# Altium PCB x_pmu_board.pcbdoc (part 2 of 3)
Units mm, origin at the board's own origin, x right, y up, seen from the top; angles counter-clockwise.
Board outline 103 x 86.5 mm, 4 copper layers (Top Layer, GND, Power, Bottom Layer), stack 1.57 mm thick; 226 components, 176 nets, 875 pads, 332 vias.
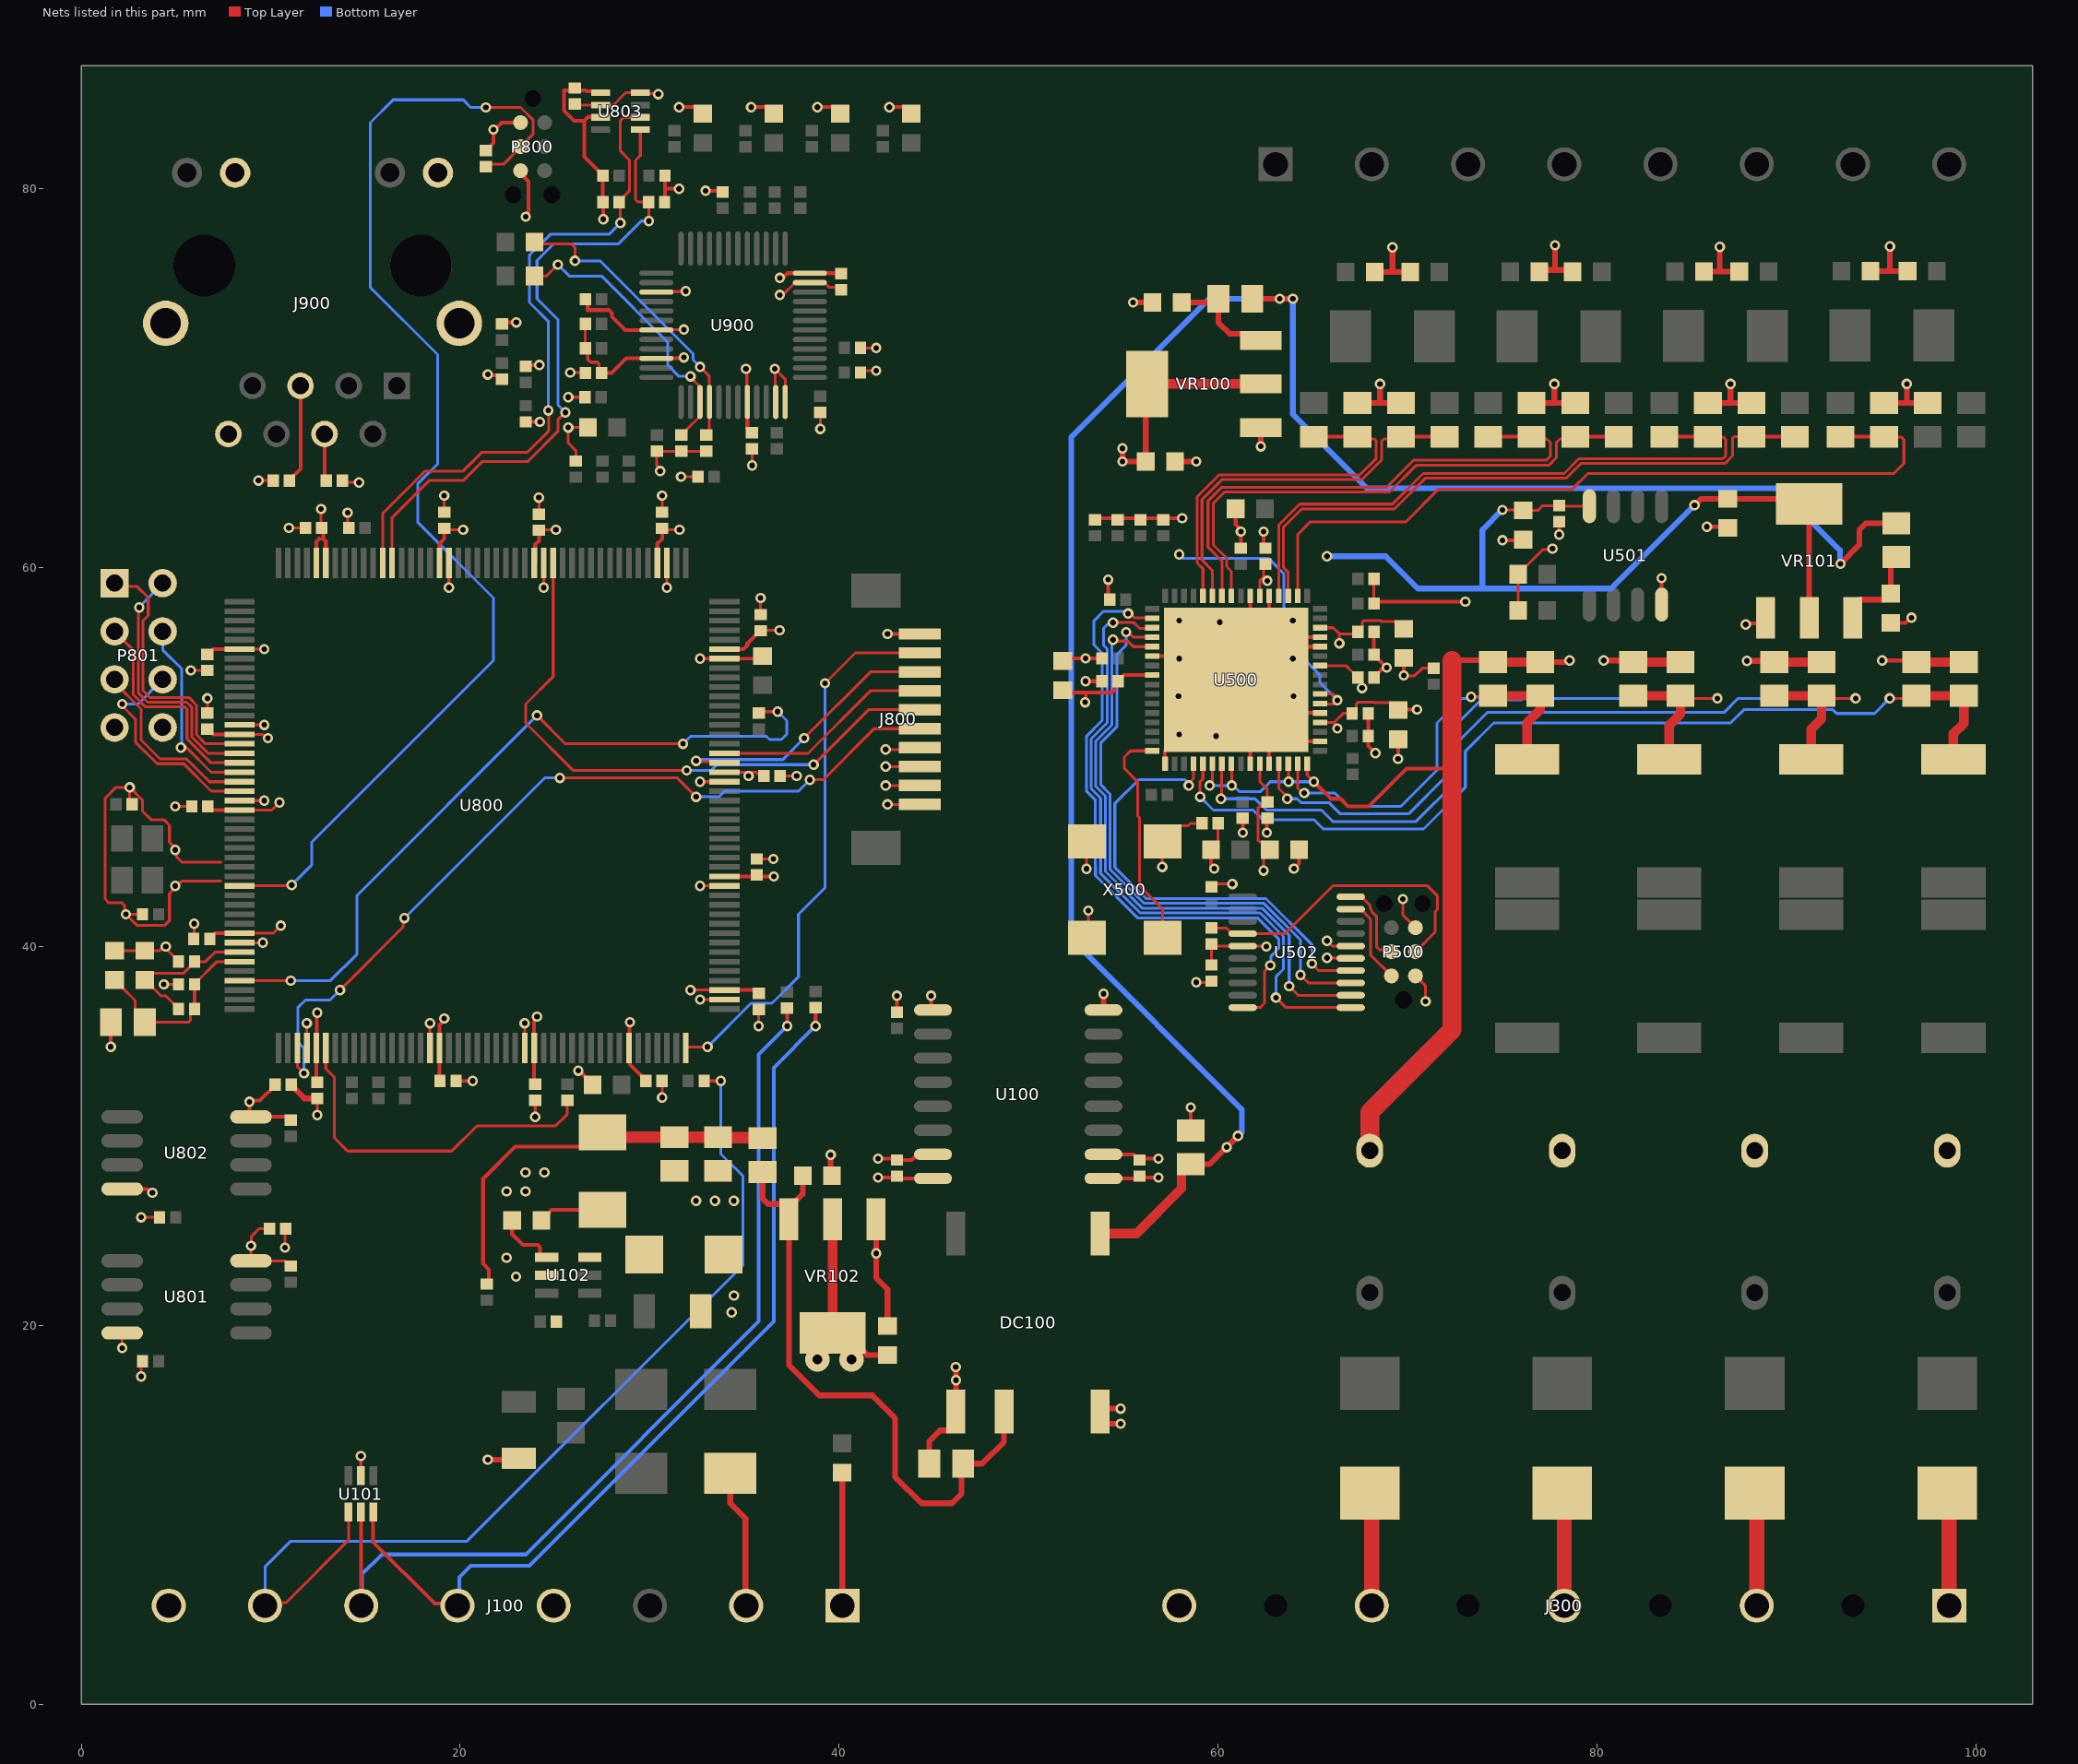
[diagram p4: the nets of this part, all layers, seen from the top]

## Via types
v1: diameter 0.55, hole 0.3, Top Layer to Bottom Layer, 330 vias
v2: diameter 1.27, hole 0.5, Top Layer to Bottom Layer, 2 vias

## Nets (pads, with @x,y where several pads share a name; then routed paths per layer and width w, separated by ;. In a path a pad name is that pad's centre, name@x,y a point inside that pad or via, vN(x,y) a via of type N, cw(c..) or ccw(c..) an arc to the next point about the centre after c; other vN are vias at no path point)
+3V3A_ISO: C111.2 C500.1 C502.1 C504.1 C506.1 C507.1 C508.2 C509.1 C510.2 C511.1 C513.1 U500.6 U500.43 U500.52 U500.58 U500.62 U501.8 VR101.2 | length 67.2
  Top Layer w0.15: U500.43@62.205,49.653 62.205,48.707 62.605,48.307 C507.1@62.605,47.632 62.38,47.407 62.193,47.407 62.103,47.318 62.103,45.609 62.19,45.522 62.345,45.522 62.735,45.132 C500.1@62.735,45.107 62.405,44.777 v1(62.405,44.007) ; U500.6@62.205,58.507 62.205,59.307 62.405,59.507 62.405,60.082 C508.2@62.505,60.182 ; U500.52@65.382,51.83 66.128,51.83 ; U500.58@65.382,54.83 66.757,54.83 67.13,54.457 67.155,54.457 67.38,54.232 C510.2@67.38,54.207 ; U500.62@65.382,56.83 66.082,56.83 66.405,56.507 ; v1(66.305,51.507) 66.305,51.616 66.128,51.793 66.128,51.83 ; v1(66.405,56.007) 66.405,56.507 ; C502.1@69.505,52.477 69.115,52.867 68.267,52.867 68.227,52.907 67.405,52.907 67.305,52.807 67.305,52.532 C509.1@67.08,52.307 66.605,52.307 66.128,51.83 ; C504.1@69.805,56.777 69.415,57.167 68.617,57.167 68.577,57.207 67.705,57.207 67.605,57.107 67.605,56.832 C511.1@67.38,56.607 67.28,56.507 66.405,56.507 ; v1(75.01,63.05) 76.08,63.05 C506.1@76.11,63.02 76.88,63.02 77.135,63.275 C513.1@78.01,63.275 78.035,63.25 U501.8@79.605,63.25 ; VR101.2@90.935,63.63 VR101.2@91.205,63.36
  Top Layer w0.2: 62.405,59.507 v1(62.605,59.307) ; C510.2@67.38,54.207 67.58,54.007 67.58,53.671 v1(67.604,53.647) ; C502.1@69.505,52.477 69.535,52.507 v1(70.505,52.507)
  Top Layer w0.3: v1(85.155,63.3) 85.485,63.63 C111.2@86.905,63.63 VR101.2@90.935,63.63 ; VR101.2@91.205,57.36 VR101.2@91.205,63.36
  Bottom Layer w0.3: v1(65.755,60.6) 68.855,60.6 70.555,58.9 73.955,58.9 ; v1(75.01,63.05) 73.955,61.995 73.955,58.9 ; v1(85.155,63.3) 80.755,58.9 73.955,58.9
+3V3D: C104.2 C113.2 C804.2 C807.2 C810.2 C811.2 C812.2 C813.2 C814.2 C815.2 C816.2 C817.2 C818.2 C819.2 C820.2 C821.2 C822.2 C823.2 C824.2 C825.2 C826.2 C900.2 C901.2 C902.2 C903.2 C904.2 FB800.1 J800.3 J800.4 J900.4 J900.5 J900.9 J900.11 P800.1 R103.2 R805.2 R807.2 R808.1 R813.2 R814.1 R818.1 R819.1 R820.1 R821.1 R904.2 R905.2 R906.2 R907.2 R908.1 R909.2 R910.2 R912.2 R913.2 R914.2 R915.1 U100.16 U800.6 U800.15 U800.23 U800.36 U800.49 U800.62 U800.72 U800.82 U800.91 U800.103 U800.114 U800.127 U800.136 U800.149 U800.159 U800.171 U800.172 U801.8 U802.8 U803.6 U803.8 U900.22 U900.32 U900.48 VR102.2 | length 132.6
  Top Layer w0.15: v1(3.155,17.3) 3.155,18.025 R808.1@3.23,18.1 ; v1(3.155,25.7) R814.1@4.13,25.7 ; U800.36@8.355,40.7 10.132,40.7 v1(10.532,41.1) ; U800.23@8.355,47.2 10.055,47.2 v1(10.455,47.6) ; U800.15@8.355,51.2 9.547,51.2 9.747,51 v1(9.855,51) ; U800.6@8.355,55.7 v1(9.655,55.7) ; C804.2@9.93,25.1 9.38,25.1 8.98,24.7 8.98,24.225 v1(8.955,24.2) U801.8@8.955,23.405 10.75,23.405 11.03,23.125 R807.2@11.055,23.125 ; 12.555,61.525 12.78,61.525 ; v1(12.655,63.1) 12.655,62.125 C819.2@12.68,62.1 ; C820.2@19.155,62.075 19.23,62 v1(20.155,62) ; C821.2@24.155,61.975 24.18,62 24.255,62 v1(25.055,62) ; R910.2@26.605,72.875 R909.2@26.605,71.575 26.73,71.45 26.73,71 26.88,70.85 27.242,70.85 27.33,70.762 27.33,70.4 C902.2@27.455,70.275 ; v1(30.555,65.1) 30.555,65.208 30.38,65.383 R914.2@30.38,66.15 R913.2@31.68,66.15 R912.2@32.98,66.15 ; C822.2@30.655,62.075 30.73,62 v1(31.578,62) ; v1(31.655,64.8) R915.1@32.555,64.8 ; v1(32.155,37.7) 35.58,37.7 C826.2@35.755,37.525 ; U800.114@33.955,49.2 v1@35.055,49.2 ; v1(35.078,70.5) 35.13,70.448 35.13,68.775 U900.32@35.155,68.75 ; v1@35.08,48.877 35.204,49 v1(35.221,49) ; v1@35.08,49.175 v1@35.055,49.2 ; C824.2@35.83,49 35.63,49.2 v1@35.055,49.2 ; C823.2@35.855,56.675 35.88,56.7 v1(36.855,56.7) ; R908.1@41.13,70.3 41.23,70.4 v1(41.955,70.4) ; v1(42.455,49.5) J800.3@44.255,49.5 ; v1(42.455,50.4) 44.155,50.4 J800.4@44.255,50.5
  Top Layer w0.2: v1(1.555,34.7) 1.555,35.99 FB800.1@1.565,36 ; C817.2@6.655,51.475 6.68,51.475 6.955,51.2 U800.15@8.355,51.2 ; C818.2@6.655,55.425 6.68,55.425 6.955,55.7 U800.6@8.355,55.7 ; C816.2@6.68,47.4 6.88,47.2 U800.23@8.355,47.2 ; C815.2@6.78,40.4 6.78,40.425 7.055,40.7 U800.36@8.355,40.7 ; C807.2@10.43,32.769 10.296,32.634 C807.2@10.23,32.7 10.23,32.675 9.422,31.867 8.945,31.867 v1(8.878,31.8) 8.878,31.082 U802.8@8.955,31.005 10.875,31.005 R813.2@11.055,30.825 ; C900.2@10.98,64.6 10.98,64.625 11.57,65.215 J900.5@11.57,69.6 ; U800.49@12.405,34.75 U800.49@12.405,34.65 ; U800.172@12.405,60.25 12.405,61.375 12.555,61.525 ; C814.2@12.455,32.825 12.405,32.875 U800.49@12.405,34.65 ; v1(12.455,36.5) 12.43,36.475 12.43,34.675 U800.49@12.405,34.65 ; C819.2@12.555,61.975 C819.2@12.68,62.1 12.78,62 12.78,61.525 12.905,61.4 U800.171@12.905,60.25 ; J900.4@12.84,67.06 12.84,64.69 C901.2@12.93,64.6 ; U800.159@18.905,60.25 18.905,61.275 19.155,61.525 C820.2@19.155,62.075 ; C813.2@18.93,32.9 18.905,32.925 U800.62@18.905,34.65 18.905,35.855 19.155,36.105 v1(19.155,36.2) ; R805.2@21.355,82.025 21.38,82.025 21.58,82.225 21.58,82.25 21.755,82.425 v1(21.755,83.13) 21.828,83.13 22.198,83.5 P800.1@23.185,83.5 ; v1(21.455,70.2) 21.505,70.15 22.005,70.15 R904.2@22.205,69.95 ; R905.2@22.205,72.875 22.28,72.95 v1(22.955,72.95) ; R906.2@23.455,67.7 v1(24.205,67.7) ; R907.2@23.455,70.625 23.53,70.7 v1(24.178,70.7) ; U800.149@23.905,60.25 23.955,60.3 23.955,61.225 24.155,61.425 24.155,61.473 24.155,61.9 C821.2@24.255,62 ; C812.2@23.955,32.725 23.905,32.775 U800.72@23.905,34.65 23.905,36.055 24.055,36.205 v1(24.055,36.3) ; U803.6@27.405,83.775 27.38,83.8 26.755,83.8 26.555,83.6 ; U803.8@27.405,85.075 27.33,85.15 26.68,85.15 26.63,85.2 26.18,85.2 C810.2@26.055,85.325 25.93,85.2 25.48,85.2 25.48,84.14 26.02,83.6 26.555,83.6 ; C902.2@27.455,70.275 27.98,70.275 28.755,71.05 U900.22@30.355,71.05 30.37,71.065 31.77,71.065 v1(31.805,71.1) ; v1(27.555,78.4) 27.555,79.275 R819.1@27.53,79.3 R820.1@27.53,80.7 27.53,80.725 26.555,81.7 26.555,83.6 ; v1(28.955,36) 28.93,35.975 28.93,34.675 U800.82@28.905,34.65 28.955,34.6 28.955,33.775 29.805,32.925 C811.2@29.805,32.9 ; U800.136@30.405,60.25 30.405,61.275 30.655,61.525 C822.2@30.655,62.075 ; R818.1@30.787,79.3 30.805,79.318 30.805,80.009 ; R821.1@30.805,80.7 30.805,80.009 ; v1(31.555,80) 31.546,80.009 30.805,80.009 ; U800.91@33.955,37.7 C826.2@35.58,37.7 ; U800.103@33.955,43.7 35.58,43.7 C825.2@35.655,43.775 35.73,43.7 v1(36.555,43.7) ; U800.127@33.955,55.7 34.955,55.7 35.155,55.9 35.155,56 35.83,56.675 C823.2@35.855,56.675 ; U900.32@35.155,68.75 35.155,67.35 35.38,67.125 C904.2@35.405,67.125 ; v1(36.875,75.3) 37.034,75.3 37.284,75.55 U900.48@38.455,75.55 40.08,75.55 C903.2@40.105,75.525 ; v1(42.055,27.8) 42.98,27.8 C104.2@43.055,27.875 43.175,27.755 U100.16@44.955,27.755 ; R103.2@43.055,36.525 v1(43.055,37.4)
  Top Layer w0.3: VR102.2@39.655,19.6 40.305,19.6 41.475,18.43 C113.2@42.555,18.43
  Top Layer w0.5: VR102.2@39.655,19.6 VR102.2@39.655,25.6
  other v2: 38.855,18.2 40.655,18.2
+3V3D_ISO: C103.2 C107.2 C501.2 C503.2 C514.1 C518.1 P500.1 R511.2 U100.1 U500.24 U500.54 U500.55 U502.5 U502.16 VR100.2 X500.1 X500.4 | length 50.9
  Top Layer w0.15: v1(52.985,52.89) 53.02,52.925 53.02,53.407 ; v1(53.055,44.1) 53.055,45.52 X500.1@53.075,45.54 X500.1@53.83,46.295 ; v1(57.055,44.2) 57.055,45.52 X500.4@57.075,45.54 57.9,46.365 58.397,46.365 58.532,46.5 C503.2@59.155,46.5 ; C501.2@59.655,39.025 R511.2@59.655,40.125 59.755,40.025 U502.5@61.305,40.025 61.318,40.013 62.543,40.013 v1(62.555,40) ; U500.54@65.382,52.83 65.405,52.807 66.217,52.807 66.305,52.895 v1(66.305,53.001) 66.305,53.107 66.082,53.33 U500.55@65.382,53.33 ; v1(65.755,40.3) 66.03,40.025 U502.16@67.005,40.025 ; P500.1@70.425,38.45 70.955,37.92 v1(70.955,37.1)
  Top Layer w0.2: C518.1@51.635,53.407 C518.1@51.935,53.407 ; C518.1@51.775,53.507 C518.1@51.805,53.537 C518.1@51.935,53.407 ; U100.1@53.955,27.755 55.735,27.755 C103.2@55.855,27.875 55.93,27.8 v1(56.855,27.8) ; U500.24@56.528,54.33 55.028,54.33 54.73,54.032 C514.1@54.73,54.007 54.53,53.807 54.53,53.532 54.405,53.407 53.02,53.407 C518.1@51.935,53.407
  Top Layer w0.3: v1(54.955,66.3) v1(54.955,65.6) C107.2@56.185,65.6 ; C107.2@56.185,65.3 C107.2@56.185,65.6 ; VR100.2@56.255,69.7 56.185,69.63 C107.2@56.185,65.6
  Top Layer w0.5: VR100.2@56.255,69.7 VR100.2@62.255,69.7
  Bottom Layer w0.15: v1(57.955,60.7) 58.155,60.5 62.655,60.5 63.478,59.677 63.478,57.002 64.432,56.048 64.432,55.28 65.382,54.33 65.382,53.924 v1(66.305,53.001)
+5V: C101.2 C114.2 DC100.3 R105.2 VR102.3 | length 33.4
  Top Layer w0.3: R105.2@35.955,28.1 35.955,26.7 36.255,26.4 37.005,26.4 VR102.3@37.355,26.05 ; C114.2@38.085,27.9 38.085,26.93 37.355,26.2 VR102.3@37.355,26.05 ; DC100.3@48.705,15.45 48.705,13.85 47.555,12.7 C101.2@46.545,12.7 46.455,12.61 46.455,11.1 45.955,10.6 44.355,10.6 42.955,12 42.955,15.1 41.755,16.3 38.955,16.3 37.355,17.9 VR102.3@37.355,25.6 VR102.3@37.355,26.05
+AVDD: C808.1 C809.1 FB800.2 R812.1 U800.39 | length 10.2
  Top Layer w0.15: C808.1@1.755,38.23 1.78,38.23 2.17,37.84 2.17,37.815 2.84,37.145 2.84,36.505 FB800.2@3.345,36 5.655,36 5.755,36.1 5.755,36.475 R812.1@5.98,36.7 ; C809.1@5.98,38 5.98,38.025 7.155,39.2 U800.39@8.355,39.2
  Top Layer w0.2: R812.1@5.98,36.7 C809.1@5.98,38
+VISO_supply: C100.2 DC100.8 FB101.1 FB102.1 | length 111.5
  Top Layer w0.3: C100.2@58.555,28.51 59.565,28.51 v1(60.455,29.4) v1(61.055,30) ; FB101.1@61.805,74.2 61.905,74.3 62.005,74.2 v1(63.255,74.2) v1(63.955,74.2) ; v1(92.855,60.2) 93.855,61.2 93.855,62 94.205,62.35 FB102.1@95.805,62.35
  Top Layer w0.5: DC100.8@53.785,24.848 55.703,24.848 58.07,27.215 58.07,28.18 58.4,28.51 C100.2@58.555,28.51
  Bottom Layer w0.3: v1(60.455,29.4) 61.255,30.2 61.255,31.4 52.255,40.4 52.255,66.9 59.555,74.2 v1(63.255,74.2) v1(63.955,74.2) 63.955,68.1 67.855,64.2 89.555,64.2 92.83,60.925 92.83,60.225 v1(92.855,60.2)
+VREF: C805.2 C806.2 R812.2 U800.38 | length 8
  Top Layer w0.15: R812.2@5.13,36.7 5.13,36.725 4.46,37.395 4.215,37.395 3.38,38.23 C805.2@3.355,38.23 3.7,38.575 5.38,38.575 5.98,39.175 C806.2@5.98,39.2 6.555,39.2 7.055,39.7 U800.38@8.355,39.7
ADC-VCM: C300.1 C301.1 C302.1 C303.1 C400.1 C401.2 C402.1 C403.2 C404.1 C405.2 C406.1 C407.2 J300.5 R302.1 R305.1 R308.1 R311.1 R401.1 R402.2 R405.1 R406.2 R409.1 R410.2 R413.1 R414.2 R500.2 R501.2 R503.1 R505.1 U500.38 U500.40 U500.46 U500.48 VR300.1 VR301.1 VR302.1 VR303.1 | length 101.5
  Top Layer w0.15: v1(59.555,48.5) 59.555,48.608 59.705,48.758 U500.38@59.705,49.653 ; U500.40@60.705,49.653 60.717,49.641 60.717,48.512 v1(60.728,48.5) ; U500.46@63.705,49.653 63.73,49.628 63.73,48.725 63.728,48.723 v1(63.728,48.7) ; U500.48@64.705,49.653 64.705,49.05 v1(65.055,48.7) ; R505.1@68.23,58.107 R503.1@68.23,59.407 ; R500.2@75.84,57.75 R501.2@75.84,59.65 75.84,59.675 76.23,60.065 76.255,60.065 77.155,60.965 77.62,60.965 v1(77.655,61)
  Top Layer w0.2: v1(65.055,48.7) 65.955,47.8 66.459,47.8 66.859,47.4 67.955,47.4 69.955,49.4 72.357,49.4 ; R505.1@68.23,58.107 68.323,58.2 v1(73.055,58.2) ; v1(95.055,55.1) 96.78,55.1 C300.1@96.865,55.015
  Top Layer w0.3: C400.1@67.355,68.69 68.505,68.69 ; R401.1@68.28,75.61 69.21,75.61 ; v1(68.555,69.7) 68.555,68.74 68.505,68.69 ; v1(69.21,76.91) 69.21,75.61 ; C401.2@69.655,68.69 68.505,68.69 ; R402.2@70.14,75.61 69.21,75.61 ; 72.357,55.102 72.372,55.117 74.413,55.117 C303.1@74.515,55.015 ; C402.1@76.555,68.69 C403.2@78.855,68.69 ; R405.1@76.86,75.72 77.79,75.72 ; R311.1@77.015,55.015 78.402,55.015 78.487,55.1 v1(78.555,55.1) ; 77.755,68.74 v1(77.755,69.7) ; v1(77.79,77.02) 77.79,75.72 ; R406.2@78.72,75.72 77.79,75.72 ; v1(80.355,55.1) 81.83,55.1 C302.1@81.915,55.015 ; R409.1@85.555,75.64 86.485,75.64 ; C404.1@85.855,68.69 C405.2@88.155,68.69 ; v1(86.485,76.94) 86.485,75.64 ; 87.055,68.74 v1(87.055,69.7) ; R410.2@87.415,75.64 86.485,75.64 ; v1(87.915,55.075) 89.305,55.075 C301.1@89.365,55.015 ; R413.1@94.54,75.66 95.47,75.66 ; C406.1@95.155,68.69 C407.2@97.455,68.69 ; v1(95.47,76.96) 95.47,75.66 ; 96.355,68.74 v1(96.355,69.7) ; R414.2@96.4,75.66 95.47,75.66
  Top Layer w0.5: C303.1@74.515,55.015 R311.1@77.015,55.015 ; C302.1@81.915,55.015 R308.1@84.415,55.015 ; C301.1@89.365,55.015 R305.1@91.865,55.015 ; C300.1@96.865,55.015 R302.1@99.365,55.015
  Top Layer w1: VR300.1@68.01,29.22 68.01,31.255 72.357,35.602 72.357,49.4 72.357,55.102
  Bottom Layer w0.15: v1(59.555,48.5) v1(60.728,48.5) 60.8,48.5 61.118,48.182 62.25,48.182 62.655,48.587 62.655,48.6 62.755,48.7 v1(63.728,48.7) v1(65.055,48.7)
ADC_CFG_ARM_nRESET: P500.3 R511.1 U502.4 | length 16.7
  Top Layer w0.15: R511.1@59.655,40.975 60.43,40.975 60.73,40.675 U502.4@61.305,40.675 63.53,40.675 66.055,43.2 71.055,43.2 71.576,42.68 71.576,41.941 71.455,41.821 71.455,40.75 P500.3@70.425,39.72
ADC_CFG_nRESET: U500.36 U502.14 | length 24.5
  Top Layer w0.15: v1(58.455,48.5) 58.455,48.608 58.705,48.858 U500.36@58.705,49.653 ; v1(64.955,39.1) 65.33,38.725 U502.14@67.005,38.725
  Bottom Layer w0.15: v1(58.455,48.5) 58.455,48.6 58.248,48.807 55.814,48.807 54.555,47.549 54.555,44.174 56.203,42.526 62.529,42.526 64.955,40.1 v1(64.955,39.1)
ADC_CFG_SPI_MISO: U500.21 U502.12 | length 32.3
  Top Layer w0.15: v1(54.455,56.2) 54.532,56.123 54.94,56.123 ; 54.94,56.123 55.232,56.123 55.525,55.83 U500.21@56.528,55.83 ; v1(63.755,37.9) 64.23,37.425 U502.12@67.005,37.425
  Bottom Layer w0.15: v1(54.455,56.2) 54.403,56.148 54.403,51.704 53.551,50.852 53.551,48.444 54.052,47.943 54.052,43.966 55.994,42.023 62.32,42.023 63.755,40.588 v1(63.755,37.9)
ADC_CFG_SPI_MOSI: U500.20 U502.13 | length 31
  Top Layer w0.15: v1(55.155,56.6) 55.263,56.6 55.533,56.33 U500.20@56.528,56.33 ; v1(64.355,38.5) 64.78,38.075 U502.13@67.005,38.075
  Bottom Layer w0.15: v1(55.155,56.6) 55.155,55.9 54.655,55.4 54.655,51.6 53.803,50.748 53.803,48.548 54.303,48.047 54.303,44.07 56.099,42.275 62.424,42.275 64.355,40.344 v1(64.355,38.5)
ADC_CFG_SPI_nCS: U500.18 U502.10 | length 33.6
  Top Layer w0.15: v1(55.255,57.577) 55.363,57.577 55.589,57.352 56.506,57.352 U500.18@56.528,57.33 ; U502.10@61.305,36.775 62.23,36.775 62.455,37 62.455,38.7 v1(62.755,39)
  Bottom Layer w0.15: v1(55.255,57.577) 55.255,57.6 55.155,57.7 53.955,57.7 53.455,57.2 53.455,55.916 53.88,55.491 53.88,51.921 53.048,51.089 53.048,48.207 53.529,47.726 53.529,44.301 53.532,44.298 53.532,43.746 55.778,41.5 62.103,41.5 63.203,40.4 63.203,39.9 62.803,39.5 62.803,39.048 v1(62.755,39)
ADC_CFG_SPI_SCK: U500.19 U502.11 | length 35
  Top Layer w0.15: v1(54.455,57.1) 55.555,57.1 55.855,56.8 56.498,56.8 U500.19@56.528,56.83 ; v1(63.055,37.3) 63.58,36.775 U502.11@67.005,36.775
  Bottom Layer w0.15: v1(54.455,57.1) 54.255,57.1 53.955,56.8 53.955,55.9 54.152,55.703 54.152,51.808 53.3,50.956 53.3,48.339 53.8,47.839 53.8,43.862 55.89,41.772 62.216,41.772 63.455,40.533 63.455,38.8 63.055,38.4 v1(63.055,37.3)
ADC_CFG_SWCLK: P500.4 U502.20 | length 4.4
  Top Layer w0.15: U502.20@67.005,42.625 67.58,42.625 68.007,42.198 ccw(c68.774,42.26) 68.373,41.604 68.373,39.982 68.536,39.819 69.056,39.819 P500.4@69.155,39.72
ADC_CFG_SWDIO: P500.2 U502.19 | length 4.7
  Top Layer w0.15: U502.19@67.005,41.975 67.526,41.975 68.055,41.446 68.055,39.55 P500.2@69.155,38.45
ADC_CLK: U500.32 X500.3 | length 12
  Top Layer w0.15: U500.32@56.528,50.33 55.385,50.33 55.055,50 55.055,49.4 55.755,48.7 55.755,46.9 55.855,46.8 55.855,43.2 57.075,41.98 X500.3@57.075,40.46
ADC_nCS: R822.1 U800.50 | length 19.1
  Top Layer w0.15: U800.50@12.905,34.65 12.905,33.55 13.355,33.1 13.355,29.9 14.055,29.2 19.555,29.2 20.883,30.528 25.027,30.528 25.655,31.156 R822.1@25.655,31.875
ARM_nRESET: P800.3 R805.1 U800.31 | length 64.5
  Top Layer w0.15: U800.31@8.355,43.2 11.055,43.2 v1(11.105,43.25) ; R805.1@21.355,81.175 21.48,81.3 22.278,81.3 23.185,82.207 P800.3@23.185,82.23 23.855,82.9 23.855,83.637 23.192,84.3 v1(21.355,84.3)
  Bottom Layer w0.15: v1(11.105,43.25) 12.155,44.3 12.155,45.5 21.755,55.1 21.755,58.4 17.755,62.4 17.755,64.42 18.807,65.472 18.807,71.248 15.255,74.8 15.255,83.5 16.455,84.7 20.155,84.7 20.555,84.3 v1(21.355,84.3)
BMP_SCK: R818.2 U800.164 U803.4 | length 35.1
  Top Layer w0.15: U800.164@16.405,60.25 16.405,61.669 16.405,62.65 18.355,64.6 20.155,64.6 21.155,65.6 23.555,65.6 25.155,67.2 25.155,67.8 v1(25.555,68.2) ; U803.4@29.505,83.125 29.505,81.75 29.255,81.5 29.255,79.432 29.387,79.3 R818.2@29.937,79.3 29.955,79.282 v1(29.955,78.3)
  Bottom Layer w0.15: v1(25.555,68.2) 25.155,68.6 25.155,73.1 24.055,74.2 24.055,76.215 24.94,77.1 28.355,77.1 29.555,78.3 v1(29.955,78.3)
BMP_SD: R819.2 U800.165 U803.3 | length 35.4
  Top Layer w0.15: U800.165@15.905,60.25 15.905,62.857 18.148,65.1 20.155,65.1 21.155,66.1 23.555,66.1 24.682,67.227 24.682,68.273 v1(24.655,68.3) ; v1(28.455,78.2) 28.455,79.225 R819.2@28.38,79.3 28.38,79.325 28.93,79.875 28.93,81.525 28.455,82 28.455,83.6 28.63,83.775 U803.3@29.505,83.775
  Bottom Layer w0.15: v1(24.655,68.3) 24.655,73 23.655,74 23.655,76.5 24.755,77.6 27.855,77.6 v1(28.455,78.2)
ETH_REF_CLK: R801.2 U800.41 | length 39.9
  Top Layer w0.15: U800.41@8.355,38.2 v1(11.055,38.2) ; v1(24.055,52.2) 25.555,50.7 v1(31.755,50.7) ; R801.2@35.755,52.325 35.83,52.4 v1(36.755,52.4)
  Bottom Layer w0.15: v1(11.055,38.2) 13.155,38.2 14.555,39.6 14.555,42.7 v1(24.055,52.2) ; v1(31.755,50.7) 32.155,51.1 36.155,51.1 36.332,50.923 36.953,50.923 37.232,51.202 37.232,51.923 v1(36.755,52.4)
GND: C101.1 C102.1 C104.1 C106.1 C109.1 C110.1 C113.1 C114.1 C800.2 C801.1 C802.1 C803.2 C804.1 C805.1 C806.1 C807.1 C808.2 C809.2 C810.1 C811.1 C812.1 C813.1 C814.1 C815.1 C816.1 C817.1 C818.1 C819.1 C820.1 C821.1 C822.1 C823.1 C824.1 C825.1 C826.1 C900.1 C901.1 C902.1 C903.1 C904.1 C905.1 C906.1 C907.1 C908.1 D101.1 D102.1 D800.K D801.K D802.K D803.K DC100.1 J100.2 J100.4 J100.8 J800.1 J800.2 J800.10 J900.8 J900.S1 J900.S2 P800.5 P801.7 P801.8 R108.2 R800.2 R903.1 R911.1 R921.1 U100.9 U100.15 U101.2 U102.2 U800.14 U800.22 U800.37 U800.48 U800.61 U800.71 U800.90 U800.102 U800.113 U800.126 U800.135 U800.148 U800.158 U801.4 U802.4 U803.1 U803.7 U900.15 U900.19 U900.35 U900.36 U900.47 VR102.1 | length 139.2
  Top Layer w0.15: C808.2@1.755,39.77 C805.1@3.355,39.77 4.117,39.77 4.347,40 v1(4.455,40) 4.455,39.9 5.13,39.225 C806.1@5.13,39.2 ; v1(2.155,18.8) U801.4@2.155,19.595 ; C801.1@2.68,47.5 2.555,47.625 v1(2.555,48.4) ; C802.1@3.23,41.7 v1(2.355,41.7) ; v1(4.355,38) C809.2@5.13,38 ; v1(4.955,45.1) v1@5.032,45.023 ; v1(4.955,47.4) C816.1@5.83,47.4 ; v1(5.78,54.575) C818.1@6.655,54.575 ; C815.1@5.93,40.4 5.955,40.425 v1(5.955,41.2) ; C817.1@6.655,52.325 v1(6.655,53.1) ; 7.355,43.448 5.291,43.448 5.043,43.2 v1(4.955,43.2) 4.955,43.093 4.655,42.793 4.655,41.37 4.41,41.125 2.93,41.125 v1(2.355,41.7) ; 7.355,44.452 5.303,44.452 5.032,44.723 v1@5.032,45.023 ; U800.37@8.355,40.2 v1(9.578,40.2) ; U800.22@8.355,47.7 v1(9.655,47.7) ; U800.14@8.355,51.7 v1(9.655,51.7) ; v1(9.355,64.6) C900.1@10.13,64.6 ; v1(10.755,24.1) 10.755,25.075 C804.1@10.78,25.1 ; v1(10.955,62.1) C819.1@11.83,62.1 ; v1(11.903,35.95) v1(11.903,35.95) 11.904,34.651 U800.48@11.905,34.65 ; v1(12.455,31.1) C814.1@12.455,31.975 ; C901.1@13.78,64.6 13.88,64.5 v1(14.655,64.5) ; v1(14.055,62.9) 14.055,62.175 R800.2@14.13,62.1 ; U101.2@14.755,12.07 v1(14.755,13.1) ; v1(18.403,35.95) v1(18.403,35.95) 18.404,34.651 U800.61@18.405,34.65 ; C820.1@19.155,62.925 v1(19.155,63.8) ; v1(19.405,58.95) U800.158@19.405,60.25 ; C813.1@19.78,32.9 v1(20.655,32.9) ; v1(23.403,35.95) 23.404,35.949 23.404,34.651 U800.71@23.405,34.65 ; v1(23.955,31.005) C812.1@23.955,31.875 ; C821.1@24.155,62.825 v1(24.155,63.7) ; v1(24.405,58.95) U800.148@24.405,60.25 ; v1(25.705,69) C908.1@26.58,69 ; v1(25.805,70.3) 26.58,70.3 C902.1@26.605,70.275 ; C810.1@26.055,84.475 26.105,84.425 U803.7@27.405,84.425 28.08,84.425 28.73,85.075 U803.1@29.505,85.075 29.543,85.037 30.418,85.037 v1(30.455,85) ; R921.1@26.105,65.625 26.105,66.175 25.705,66.575 v1(25.705,67.4) C907.1@26.735,67.4 ; U900.19@30.355,72.55 30.38,72.575 31.78,72.575 31.782,72.573 v1(31.805,72.573) ; U900.15@30.355,74.55 30.38,74.575 31.88,74.575 v1(31.905,74.6) ; v1(30.655,32.025) C811.1@30.655,32.9 ; C822.1@30.655,62.925 v1(30.655,63.8) ; v1(30.905,58.95) U800.135@30.905,60.25 ; v1(32.655,37.2) U800.90@33.955,37.2 ; v1(32.655,43.2) U800.102@33.955,43.2 ; v1(32.655,48.7) U800.113@33.955,48.7 ; v1(32.655,55.2) U800.126@33.955,55.2 35.815,55.2 C800.2@35.955,55.34 ; v1(35.405,65.4) C904.1@35.405,66.275 ; C825.1@35.655,44.625 v1(36.53,44.625) ; v1(35.755,35.8) C826.1@35.755,36.675 ; C823.1@35.855,57.525 v1(35.855,58.4) ; v1(36.605,70.5) v1@36.63,70.475 ; U900.35@36.655,68.75 36.63,68.775 v1@36.63,70.475 ; C824.1@36.68,49 v1@37.555,49 ; v1(36.875,74.4) 37.025,74.4 37.675,75.05 U900.47@38.455,75.05 39.231,75.05 39.481,74.8 39.98,74.8 C903.1@40.105,74.675 ; U900.36@37.155,68.75 37.155,69.95 v1@36.63,70.475 ; v1(39.005,67.325) C905.1@39.005,68.2 ; R911.1@41.13,71.6 v1(41.955,71.6) ; v1(42.455,48.5) J800.2@44.255,48.5 ; v1(42.555,47.5) J800.1@44.255,47.5 ; U100.15@44.133,29.025 U100.15@44.955,29.025 ; v1(2.355,41.7) 2.278,41.777 2.278,42.177 2.155,42.3 1.455,42.3 1.255,42.5 1.255,47.825 1.83,48.4 v1(2.555,48.4) ; v1(2.555,48.4) 3.23,47.725 3.23,47.145 3.675,46.7 4.355,46.7 4.655,46.4 4.655,45.507 5.032,45.131 v1@5.032,45.023
  Top Layer w0.2: U802.4@2.155,27.195 3.476,27.195 3.671,27 v1(3.755,27) ; P800.5@23.185,80.96 23.185,80.806 23.599,80.392 23.599,78.768 23.455,78.625 v1(23.455,78.53) ; v1(26.23,33.441) 26.269,33.441 26.985,32.725 C803.2@26.985,32.7 ; C906.1@26.605,74.175 26.73,74.05 26.73,73.6 27.855,73.6 28.005,73.45 28.005,73.25 28.705,72.55 U900.19@30.355,72.55 ; v1(31.555,84.315) 32.36,84.315 D803.K@32.705,83.97 ; v1(32.955,79.9) 33.78,79.9 R903.1@33.855,79.825 ; v1(35.355,84.315) 36.16,84.315 D802.K@36.505,83.97 ; v1(38.855,84.315) 39.66,84.315 D801.K@40.005,83.97 ; v1(42.055,28.8) 42.98,28.8 C104.1@43.055,28.725 43.833,28.725 U100.15@44.133,29.025 ; v1(42.555,56.5) J800.10@44.255,56.5 ; v1(42.655,84.315) 43.46,84.315 D800.K@43.805,83.97 ; v1(44.855,37.4) 44.855,36.745 U100.9@44.955,36.645
  Top Layer w0.3: C807.1@11.08,32.7 11.08,32.675 11.78,31.975 C814.1@12.455,31.975 ; v1(21.455,12.9) 23.015,12.9 C102.1@23.095,12.98 ; D101.1@34.255,12.19 34.255,10.6 35.055,9.8 35.055,5.24 J100.2@35.095,5.2 ; v1(39.555,29) 39.555,27.97 C114.1@39.625,27.9 ; VR102.1@41.955,25.6 v1(41.955,23.8) 41.955,22.5 42.555,21.9 C113.1@42.555,19.97 ; C101.1@44.765,12.7 44.765,13.885 45.33,14.45 45.815,14.45 46.165,14.8 DC100.1@46.165,15.45 v1(46.165,17.1) 46.165,17.79 v1(46.155,17.8)
  other v1: 34.33,20.685 34.445,21.57 22.945,22.57 22.445,23.57 32.445,26.57 33.445,26.57 34.443,26.57 22.445,27.07 23.445,27.07 23.445,28.07 24.445,28.07 37.755,49
GND_ISO: C100.1 C103.1 C107.1 C108.1 C111.1 C112.1 C500.2 C501.1 C502.2 C503.1 C504.2 C505.1 C506.2 C507.2 C508.1 C509.2 C510.1 C511.2 C512.1 C513.2 C514.2 C515.1 C516.2 C517.1 C518.2 C519.2 C520.1 DC100.7 P500.5 R502.2 R507.2 R508.2 R509.2 R510.2 R512.1 R513.2 U100.2 U100.8 U500.5 U500.7 U500.22 U500.33 U500.42 U500.44 U500.50 U500.53 U500.60 U500.61 U500.65 U501.4 U502.15 VR100.1 VR101.1 X500.2 | length 94.8
  Top Layer w0.15: X500.2@53.155,40.38 v1(53.155,41.9) ; v1(53.955,37.5) v1@54.005,37.55 ; v1@58.855,38.1 59.58,38.1 C501.1@59.655,38.175 ; C519.2@59.635,45.107 60.005,45.477 C503.1@60.005,46.5 ; R512.1@59.655,43.15 59.805,43.3 v1(60.755,43.3) ; C503.1@60.005,46.525 C503.1@60.005,46.5 ; C503.1@60.18,46.675 C503.1@60.005,46.5 ; v1(65.755,39.4) 65.768,39.388 66.993,39.388 U502.15@67.005,39.375 ; v1(69.755,42.5) 69.755,41.66 P500.5@70.425,40.99 ; v1(69.805,54.307) 69.822,54.29 70.385,54.29 70.79,54.695 R513.2@71.385,54.695
  Top Layer w0.2: C518.2@51.635,55.207 C518.2@51.935,55.207 ; C518.2@51.805,55.077 C518.2@51.935,55.207 ; v1(53.005,54.007) C514.2@53.88,54.007 C514.2@53.68,54.207 ; R510.2@53.505,62.532 53.58,62.607 v1(58.105,62.607) ; C515.1@53.88,55.207 v1(53.005,55.207) C518.2@51.935,55.207 ; U100.2@53.955,29.025 55.53,29.025 55.83,28.725 C103.1@55.855,28.725 55.93,28.8 v1(56.855,28.8) ; v1(54.205,59.367) 54.205,58.382 R502.2@54.28,58.307 ; U500.22@56.528,55.33 59.705,55.33 U500.65@60.955,54.08 ; U500.33@57.205,49.653 57.205,50.33 U500.65@60.955,54.08 ; C100.1@58.555,30.29 v1(58.555,31.5) ; C519.2@59.635,45.107 59.635,44.277 v1(59.805,44.107) ; C520.1@60.935,63.107 60.935,62.272 61.205,62.002 v1(61.205,61.907) C517.1@61.205,61.032 ; v1(61.305,46.007) C516.2@61.305,46.782 ; U500.42@61.705,49.653 U500.65@61.705,53.33 ; U500.7@61.705,58.507 U500.65@61.705,54.83 ; v1(62.405,61.907) 62.405,61.132 C508.1@62.505,61.032 ; v1(62.58,46.007) 62.58,46.758 C507.2@62.605,46.782 ; U500.44@62.705,49.653 U500.65@62.705,52.33 ; U500.5@62.705,58.507 U500.65@62.705,55.83 ; v1(64.005,44.107) 64.005,44.116 64.275,44.386 C500.2@64.275,45.107 ; U500.65@64.285,53.83 U500.65@61.205,53.83 ; U500.50@65.382,50.83 64.205,50.83 U500.65@62.705,52.33 ; U500.53@65.382,52.33 U500.65@62.705,52.33 ; U500.60@65.382,55.83 U500.65@62.705,55.83 ; U500.61@65.382,56.33 63.205,56.33 U500.65@62.705,55.83 ; C509.2@67.93,52.307 C505.1@67.93,51.107 67.93,50.582 v1(68.305,50.207) ; C510.1@68.23,54.207 68.23,54.232 68.651,54.653 68.838,54.653 v1(68.905,54.72) 68.905,54.732 C512.1@68.23,55.407 C511.2@68.23,56.607 ; v1(69.505,49.907) C502.2@69.505,50.937 ; v1(69.805,54.307) C504.2@69.805,55.237 ; v1(75.01,61.45) 76.08,61.45 C506.2@76.11,61.48 ; v1(78.01,61.75) C513.2@78.01,62.425 ; v1(83.41,59.45) 83.413,59.447 83.413,58.052 U501.4@83.415,58.05 ; v1(85.805,62.16) 86.835,62.16 C111.1@86.905,62.09 ; v1(87.855,57) 87.915,57.06 VR101.1@88.905,57.06 ; C112.1@95.505,57.09 96.295,57.09 96.565,57.36 v1(96.605,57.36) ; U500.65@60.955,54.08 U500.65@61.205,53.83 ; U500.65@60.955,54.08 U500.65@61.705,54.83 ; U500.65@61.205,53.83 U500.65@61.705,53.33 ; U500.65@61.705,53.33 U500.65@62.705,52.33 ; U500.65@61.705,54.83 U500.65@62.705,55.83
  Top Layer w0.3: U100.8@53.955,36.645 v1(53.955,37.5) ; v1(54.855,14.8) 54.135,14.8 53.785,15.15 DC100.7@53.785,15.45 53.935,15.6 v1(54.855,15.6) ; v1(55.515,74) C108.1@56.545,74 ; C107.1@57.725,65.6 v1(58.855,65.6) ; VR100.1@61.925,67.07 VR100.1@62.255,67.4 v1(62.255,66.4)
  other v1: 58.855,38.109 59.905,51.107 57.955,51.2 57.915,53.22 63.995,53.22 57.955,55.2 63.955,55.2 60.095,57.12 57.955,57.2 63.955,57.2
GPS_PPS_Input: J100.7 R104.2 U101.4 | length 52.3
  Top Layer w0.15: J100.7@9.695,5.2 9.86,5.365 10.82,5.365 14.105,8.65 U101.4@14.105,10.13 ; R104.2@32.88,32.9 v1(33.755,32.9)
  Bottom Layer w0.15: J100.7@9.695,5.2 9.695,7.24 11.055,8.6 20.355,8.6 34.92,23.165 34.92,27.88 33.755,29.045 v1(33.755,32.9)
GPS_Serial_RX: J100.5 R101.2 U101.6 | length 48.6
  Top Layer w0.2: U101.6@15.405,10.13 15.405,8.55 18.655,5.3 19.755,5.3 J100.5@19.855,5.2 ; v1(38.755,35.8) R101.2@38.755,36.775
  Bottom Layer w0.2: J100.5@19.855,5.2 19.955,5.3 19.955,6.7 20.555,7.3 23.655,7.3 36.555,20.2 36.555,33.6 v1(38.755,35.8)
GPS_Serial_TX: J100.6 R102.2 U101.5 | length 50.3
  Top Layer w0.2: U101.5@14.755,10.13 14.765,10.12 14.765,5.21 J100.6@14.775,5.2 ; v1(37.255,35.8) R102.2@37.255,36.75
  Bottom Layer w0.2: J100.6@14.775,5.2 14.815,5.24 14.815,6.86 15.855,7.9 23.455,7.9 35.755,20.2 35.755,34.3 v1(37.255,35.8)
HDR1: P801.1 U800.16 | length 14.3
  Top Layer w0.15: P801.1@1.755,59.18 1.935,59 2.955,59 3.532,58.423 3.532,57.477 3.255,57.2 3.255,53.516 3.62,53.152 5.669,53.152 6.08,52.741 6.08,51.175 6.555,50.7 U800.16@8.355,50.7
HDR2: P801.2 U800.17 | length 13.9
  Top Layer w0.15: v1(3.055,57.9) 3.003,57.848 3.003,53.396 3.499,52.9 5.565,52.9 5.828,52.637 5.828,51.071 6.027,50.872 6.699,50.2 U800.17@8.355,50.2
  Bottom Layer w0.15: v1(3.055,57.9) 3.055,57.92 4.295,59.16 P801.2@4.295,59.18
HDR3: P801.3 U800.18 | length 11.8
  Top Layer w0.15: P801.3@1.755,56.64 2.752,55.643 2.752,53.292 3.395,52.648 5.461,52.648 5.577,52.532 5.577,50.967 6.844,49.7 U800.18@8.355,49.7
HDR4: P801.4 U800.19 | length 10.2
  Top Layer w0.15: v1(5.255,50.5) 5.555,50.5 6.855,49.2 U800.19@8.355,49.2
  Bottom Layer w0.15: P801.4@4.295,56.64 4.295,55.66 5.303,54.652 5.303,50.548 v1(5.255,50.5)
HDR5: P801.5 U800.20 | length 9.9
  Top Layer w0.15: P801.5@1.755,54.1 1.755,53.933 3.155,52.533 3.155,50.9 4.155,49.9 5.555,49.9 6.755,48.7 U800.20@8.355,48.7
HDR6: P801.6 U800.21 | length 11.5
  Top Layer w0.15: v1(2.155,52.8) 2.155,52.7 2.855,52 2.855,50.8 4.007,49.648 5.407,49.648 6.855,48.2 U800.21@8.355,48.2
  Bottom Layer w0.15: v1(2.155,52.8) 2.995,52.8 P801.6@4.295,54.1
IB_PPS: J800.9 U800.88 | length 29.2
  Top Layer w0.15: U800.88@31.905,34.65 31.955,34.7 v1(33.055,34.7) ; v1(39.255,53.893) 40.862,55.5 J800.9@44.255,55.5
  Bottom Layer w0.15: v1(33.055,34.7) 35.355,37 36.455,37 37.855,38.4 37.855,41.7 39.255,43.1 v1(39.255,53.893)
IB_USART2_RX: J800.5 U800.47 | length 45.1
  Top Layer w0.15: U800.47@11.405,34.65 11.405,33.65 v1(11.755,33.3) ; v1(13.655,37.7) 16.978,41.023 16.978,41.423 v1(17.055,41.5) ; v1(25.255,48.9) 31.455,48.9 v1(32.455,47.9) ; v1(38.455,48.8) 39.155,48.8 41.855,51.5 J800.5@44.255,51.5
  Bottom Layer w0.15: v1(11.755,33.3) 11.755,34.613 11.426,34.942 11.426,36.771 11.831,37.176 13.131,37.176 v1(13.655,37.7) ; v1(17.055,41.5) 24.455,48.9 v1(25.255,48.9) ; v1(32.455,47.9) 33.655,47.9 33.955,48.2 37.855,48.2 v1(38.455,48.8)
IB_USART2_TX: J800.6 U800.147 | length 32.2
  Top Layer w0.15: U800.147@24.905,60.25 24.905,54.25 23.455,52.8 23.455,51.8 25.955,49.3 v1(31.955,49.3) ; v1(38.655,49.6) 41.555,52.5 J800.6@44.255,52.5
  Bottom Layer w0.15: v1(31.955,49.3) 33.255,49.3 33.555,49.6 v1(38.655,49.6)
IB_USART6_RX: J800.7 U800.116 | length 11.7
  Top Layer w0.15: U800.116@33.955,50.2 38.355,50.2 41.655,53.5 J800.7@44.255,53.5
IB_USART6_TX: J800.8 U800.115 | length 15.3
  Top Layer w0.15: v1(32.455,49.8) 32.505,49.75 33.905,49.75 U800.115@33.955,49.7 ; v1(38.155,51) 41.655,54.5 J800.8@44.255,54.5
  Bottom Layer w0.15: v1(32.455,49.8) 32.524,49.869 37.024,49.869 v1(38.155,51)
INPUT_V+: J100.1 R100.2 | length 7
  Top Layer w0.3: J100.1@40.165,5.21 R100.2@40.165,12.22
  Top Layer w0.6: R100.2@40.155,12.23 R100.2@40.165,12.22 ; J100.1@40.165,5.21 J100.1@40.175,5.2
LED_100Mb: R913.1 R918.1 U900.27 | length 15.4
  Top Layer w0.15: R918.1@23.925,75.4 24.555,75.4 v1(25.155,76) ; R913.1@31.68,67 31.705,67 31.93,67.225 31.93,67.265 32.655,67.99 U900.27@32.655,68.75 32.655,69.545 32.155,70.045 v1(32.155,70.1)
  Bottom Layer w0.15: v1(25.155,76) 25.755,75.4 27.455,75.4 30.955,71.9 30.955,70.7 31.555,70.1 v1(32.155,70.1)
LED_LNK: R912.1 R917.1 U900.28 | length 16.5
  Top Layer w0.15: R917.1@24.315,77.615 23.925,77.225 R917.1@23.925,77.2 24.025,77.1 25.855,77.1 26.055,76.9 v1(26.055,76.2) ; v1(32.655,70.6) 33.155,70.1 U900.28@33.155,68.75 33.155,67.175 R912.1@32.98,67
  Bottom Layer w0.15: v1(26.055,76.2) 27.38,76.2 32.291,71.289 32.291,70.964 v1(32.655,70.6)
Line-L1: F302.1 J300.3 | length 6
  Top Layer w0.8: F302.1@78.17,11.14 78.275,11.035 J300.3@78.275,5.2
Line-L2: F301.1 J300.2 | length 6
  Top Layer w0.8: F301.1@88.33,11.14 88.435,11.035 J300.2@88.435,5.2
Line-L3: F300.1 J300.1 | length 6
  Top Layer w0.5: F300.1@98.49,11.14 F300.1@98.595,11.035
  Top Layer w0.8: J300.1@98.595,5.2 F300.1@98.595,11.035
Line-Neu: F303.1 J300.4 | length 6
  Top Layer w0.8: F303.1@68.01,11.14 68.115,11.035 J300.4@68.115,5.2
NetC105_1: C105.1 D102.2 L100.1 U102.6 | length 3.5
  Top Layer w0.2: C105.1@24.278,25.542 24.278,25.567 24.643,25.932 24.668,25.932 24.828,26.092 L100.1@27.508,26.092
NetC105_2: C105.2 U102.1 | length 3.3
  Top Layer w0.2: C105.2@22.738,25.542 22.738,24.812 23.308,24.242 24.091,24.242 24.208,24.124 24.208,23.746 24.362,23.592 U102.1@24.565,23.592
NetC108_2: C108.2 FB101.2 VR100.3 | length 6.1
  Top Layer w0.3: C108.2@58.085,74 FB101.2@59.825,74 ; FB101.2@59.715,73.89 FB101.2@59.825,74 ; VR100.3@62.255,72 61.905,72.35 60.605,72.35 60.025,72.93 FB101.2@60.025,74.2 FB101.2@59.825,74
NetC109_2: C109.2 C110.2 L100.2 R105.1 R107.2 | length 21.6
  Top Layer w0.2: R107.2@21.508,22.167 21.508,22.942 21.208,23.242 21.208,27.742 22.908,29.442 26.758,29.442 L100.2@27.508,30.192
  Top Layer w0.6: L100.2@27.508,30.192 27.768,29.932 C109.2@31.308,29.932 C110.2@33.608,29.932 33.634,29.906 35.929,29.906 R105.1@35.955,29.88
NetC112_2: C112.2 FB102.2 VR101.3 | length 4.9
  Top Layer w0.3: VR101.3@93.505,57.36 93.505,57.96 93.86,58.315 95.19,58.315 C112.2@95.505,58.63 95.505,60.27 FB102.2@95.805,60.57
NetC300_2: C300.2 R301.2 R302.2 U500.37 | length 50.8
  Top Layer w0.15: v1(59.055,47.9) 59.055,48.7 59.205,48.85 U500.37@59.205,49.653 ; v1(95.455,53.1) 96.73,53.1 C300.2@96.865,53.235
  Top Layer w0.5: C300.2@96.865,53.235 R302.2@99.365,53.235 99.365,51.775 98.815,51.225 R301.2@98.815,49.875 R301.2@98.815,49.725
  Bottom Layer w0.15: v1(59.055,47.9) 59.755,47.2 61.855,47.2 62.355,46.7 65.055,46.7 65.555,46.2 70.855,46.2 73.055,48.4 73.055,50.3 74.555,51.8 87.055,51.8 87.755,52.5 92.455,52.5 92.655,52.3 94.655,52.3 v1(95.455,53.1)
NetC301_2: C301.2 R304.2 R305.2 U500.39 | length 47.8
  Top Layer w0.15: v1(60.155,47.8) 60.18,47.825 60.18,49.628 U500.39@60.205,49.653 ; R305.2@91.865,53.235 92,53.1 v1(93.655,53.1)
  Top Layer w0.5: C301.2@89.365,53.235 R305.2@91.865,53.235 91.865,52.025 91.315,51.475 R304.2@91.315,49.875 R304.2@91.315,49.725
  Bottom Layer w0.15: v1(60.155,47.8) 61.955,47.8 62.555,47.2 65.455,47.2 66.055,46.6 70.455,46.6 72.555,48.7 72.555,50.7 74.21,52.355 86.71,52.355 87.455,53.1 v1(93.655,53.1)
NetC302_2: C302.2 R307.2 R308.2 U500.45 | length 37.2
  Top Layer w0.15: U500.45@63.205,49.653 63.205,48.35 63.655,47.9 v1(63.655,47.8) ; R308.2@84.415,53.175 84.49,53.1 v1(86.355,53.1) ; R308.2@84.415,53.235 R308.2@84.45,53.2
  Top Layer w0.2: R308.2@84.115,53.235 84.175,53.175 R308.2@84.415,53.175
  Top Layer w0.5: C302.2@81.915,53.235 R308.2@84.115,53.235 ; R307.2@83.815,49.725 R307.2@83.815,49.875 83.815,51.675 84.415,52.275 84.415,53.175 R308.2@84.415,53.235
  Bottom Layer w0.15: v1(63.655,47.8) 64.18,47.8 64.38,47.6 65.855,47.6 66.455,47 70.055,47 72.055,49 72.055,51.2 73.87,53.015 75.98,53.015 76.065,53.1 v1(86.355,53.1)
NetC303_2: C303.2 R310.2 R311.2 U500.47 | length 22
  Top Layer w0.15: U500.47@64.205,49.653 64.205,48.35 64.455,48.1 v1(64.555,48.1) ; v1(73.357,53.177) 74.457,53.177 C303.2@74.515,53.235
  Top Layer w0.5: C303.2@74.515,53.235 R311.2@77.015,53.235 77.015,52.525 76.315,51.825 R310.2@76.315,49.875
  Bottom Layer w0.15: v1(64.555,48.1) 66.159,48.1 66.859,47.4 69.655,47.4 71.555,49.3 71.555,51.8 72.857,53.102 73.282,53.102 v1(73.357,53.177)
NetC400_2: C400.2 R400.1 U500.12 | length 20
  Top Layer w0.15: U500.12@59.205,58.507 59.205,59.95 58.903,60.252 58.903,63.748 60.055,64.9 67.485,64.9 68.355,65.77 68.355,66.7 68.255,66.8 67.465,66.8 C400.2@67.355,66.91
  Top Layer w0.2: R400.1@65.055,66.91 C400.2@67.355,66.91
NetC401_1: C401.1 R403.1 U500.11 | length 20.1
  Top Layer w0.15: U500.11@59.705,58.507 59.705,59.85 59.155,60.4 59.155,63.6 60.203,64.648 67.589,64.648 68.638,65.697 68.638,66.683 68.755,66.8 69.545,66.8 C401.1@69.655,66.91
  Top Layer w0.2: C401.1@69.655,66.91 R403.1@71.955,66.91
NetC402_2: C402.2 R404.1 U500.10 | length 28.5
  Top Layer w0.15: U500.10@60.205,58.507 60.205,60.35 59.472,61.083 59.472,63.517 60.207,64.252 68.907,64.252 70.338,65.683 77.338,65.683 77.555,65.9 77.555,66.6 77.355,66.8 76.665,66.8 C402.2@76.555,66.91
  Top Layer w0.2: R404.1@74.255,66.91 C402.2@76.555,66.91
NetC403_1: C403.1 R407.1 U500.9 | length 28.6
  Top Layer w0.15: U500.9@60.705,58.507 60.705,59.808 60.457,60.056 60.457,60.498 59.755,61.2 59.755,63.4 60.355,64 69.055,64 70.455,65.4 77.455,65.4 77.855,65.8 77.855,66.6 78.055,66.8 78.745,66.8 C403.1@78.855,66.91
  Top Layer w0.2: C403.1@78.855,66.91 R407.1@81.155,66.91
NetC404_2: C404.2 R408.1 U500.4 | length 33
  Top Layer w0.15: U500.4@63.205,58.507 63.205,62.25 64.307,63.352 69.207,63.352 70.829,64.974 78.273,64.974 79.051,65.752 86.651,65.752 86.803,65.904 86.803,66.752 86.655,66.9 85.865,66.9 C404.2@85.855,66.91
  Top Layer w0.2: R408.1@83.555,66.91 C404.2@85.855,66.91
NetC405_1: C405.1 R411.1 U500.3 | length 33.3
  Top Layer w0.15: U500.3@63.705,58.507 63.705,59.752 63.457,60 63.457,62.146 64.411,63.1 69.311,63.1 70.933,64.722 78.377,64.722 79.155,65.5 86.755,65.5 87.155,65.9 87.155,66.822 87.243,66.91 C405.1@88.155,66.91
  Top Layer w0.2: C405.1@88.155,66.91 R411.1@90.455,66.91
NetC406_2: C406.2 R412.1 U500.2 | length 41.5
  Top Layer w0.15: U500.2@64.205,58.507 64.205,61.75 64.879,62.424 69.923,62.424 71.651,64.152 78.707,64.152 79.529,64.974 95.673,64.974 96.203,65.504 96.203,66.752 96.055,66.9 95.165,66.9 C406.2@95.155,66.91
  Top Layer w0.2: R412.1@92.855,66.91 C406.2@95.155,66.91